# Altium PCB Backend_v1.PcbDoc (part 1 of 3)
Units mm, origin at the board's own origin, x right, y up, seen from the top; angles counter-clockwise.
Board outline 100 x 80 mm, 6 copper layers (Top Layer [SIG], Mid Layer 1 [GND], Mid Layer 2 [SIG], Mid Layer 3 [PWR], Mid Layer 4 [GND], Bottom Layer [SIG]), stack 1.597 mm thick; 235 components, 190 nets, 1031 pads, 639 vias.
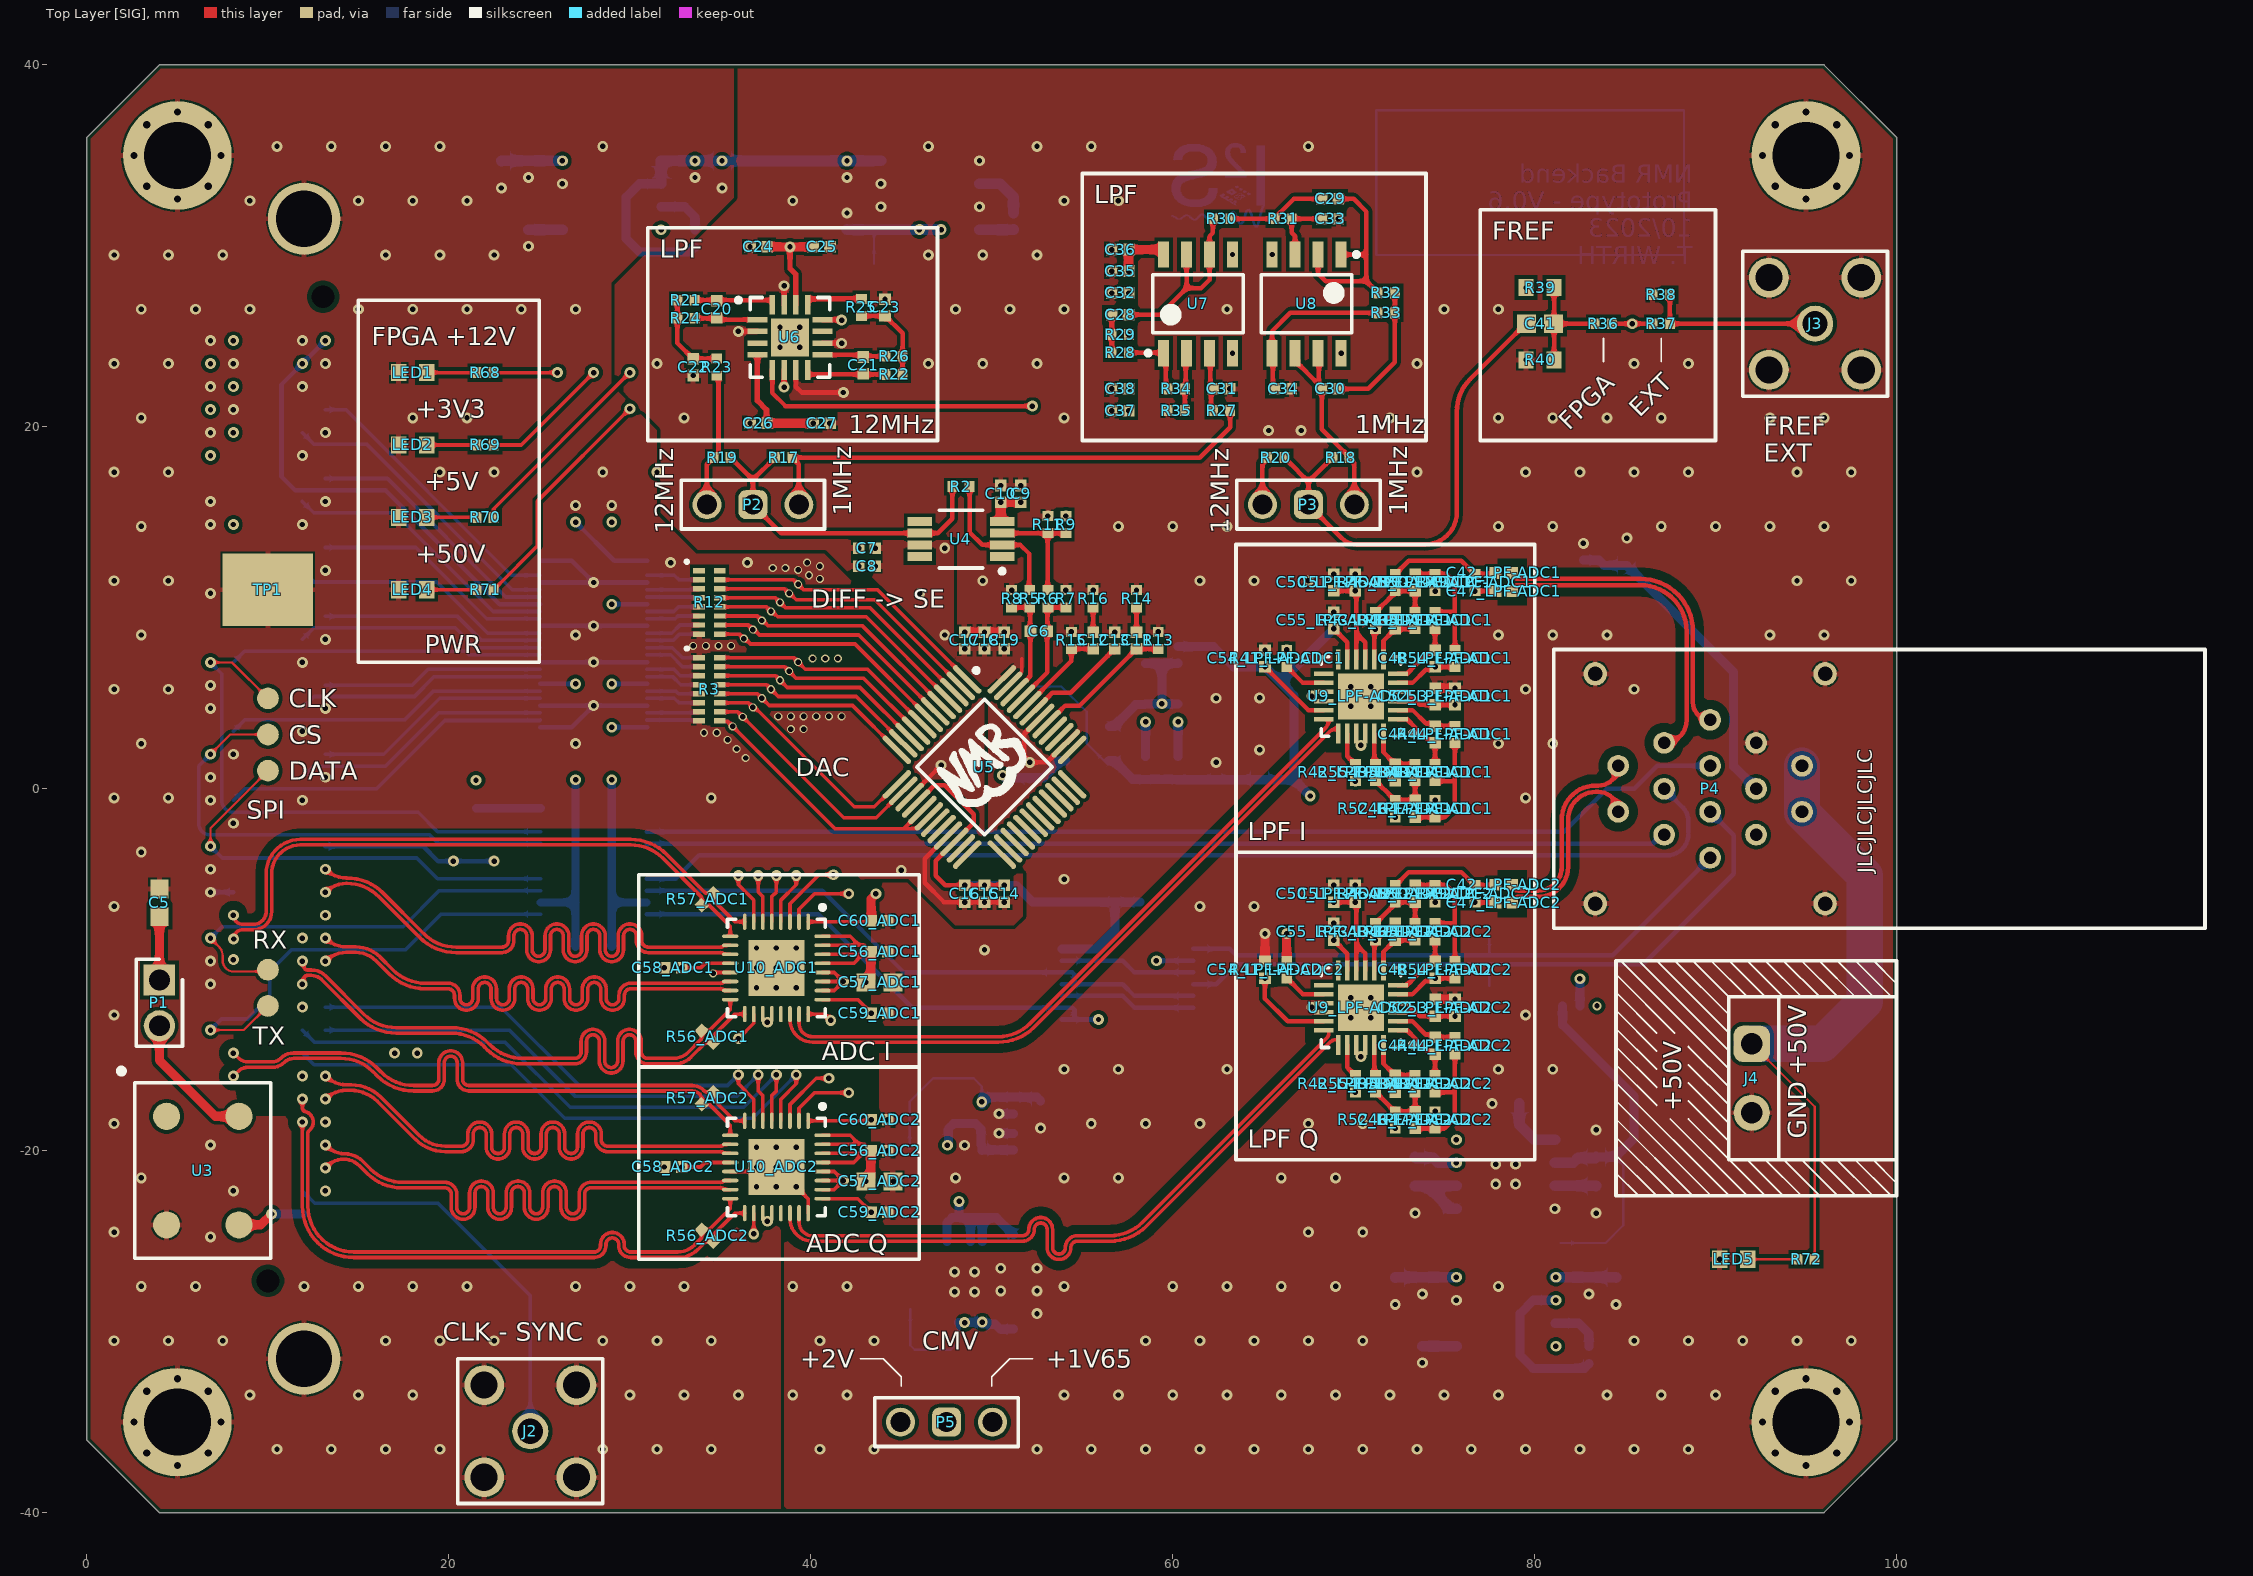
[diagram p0: Top Layer [SIG] view]
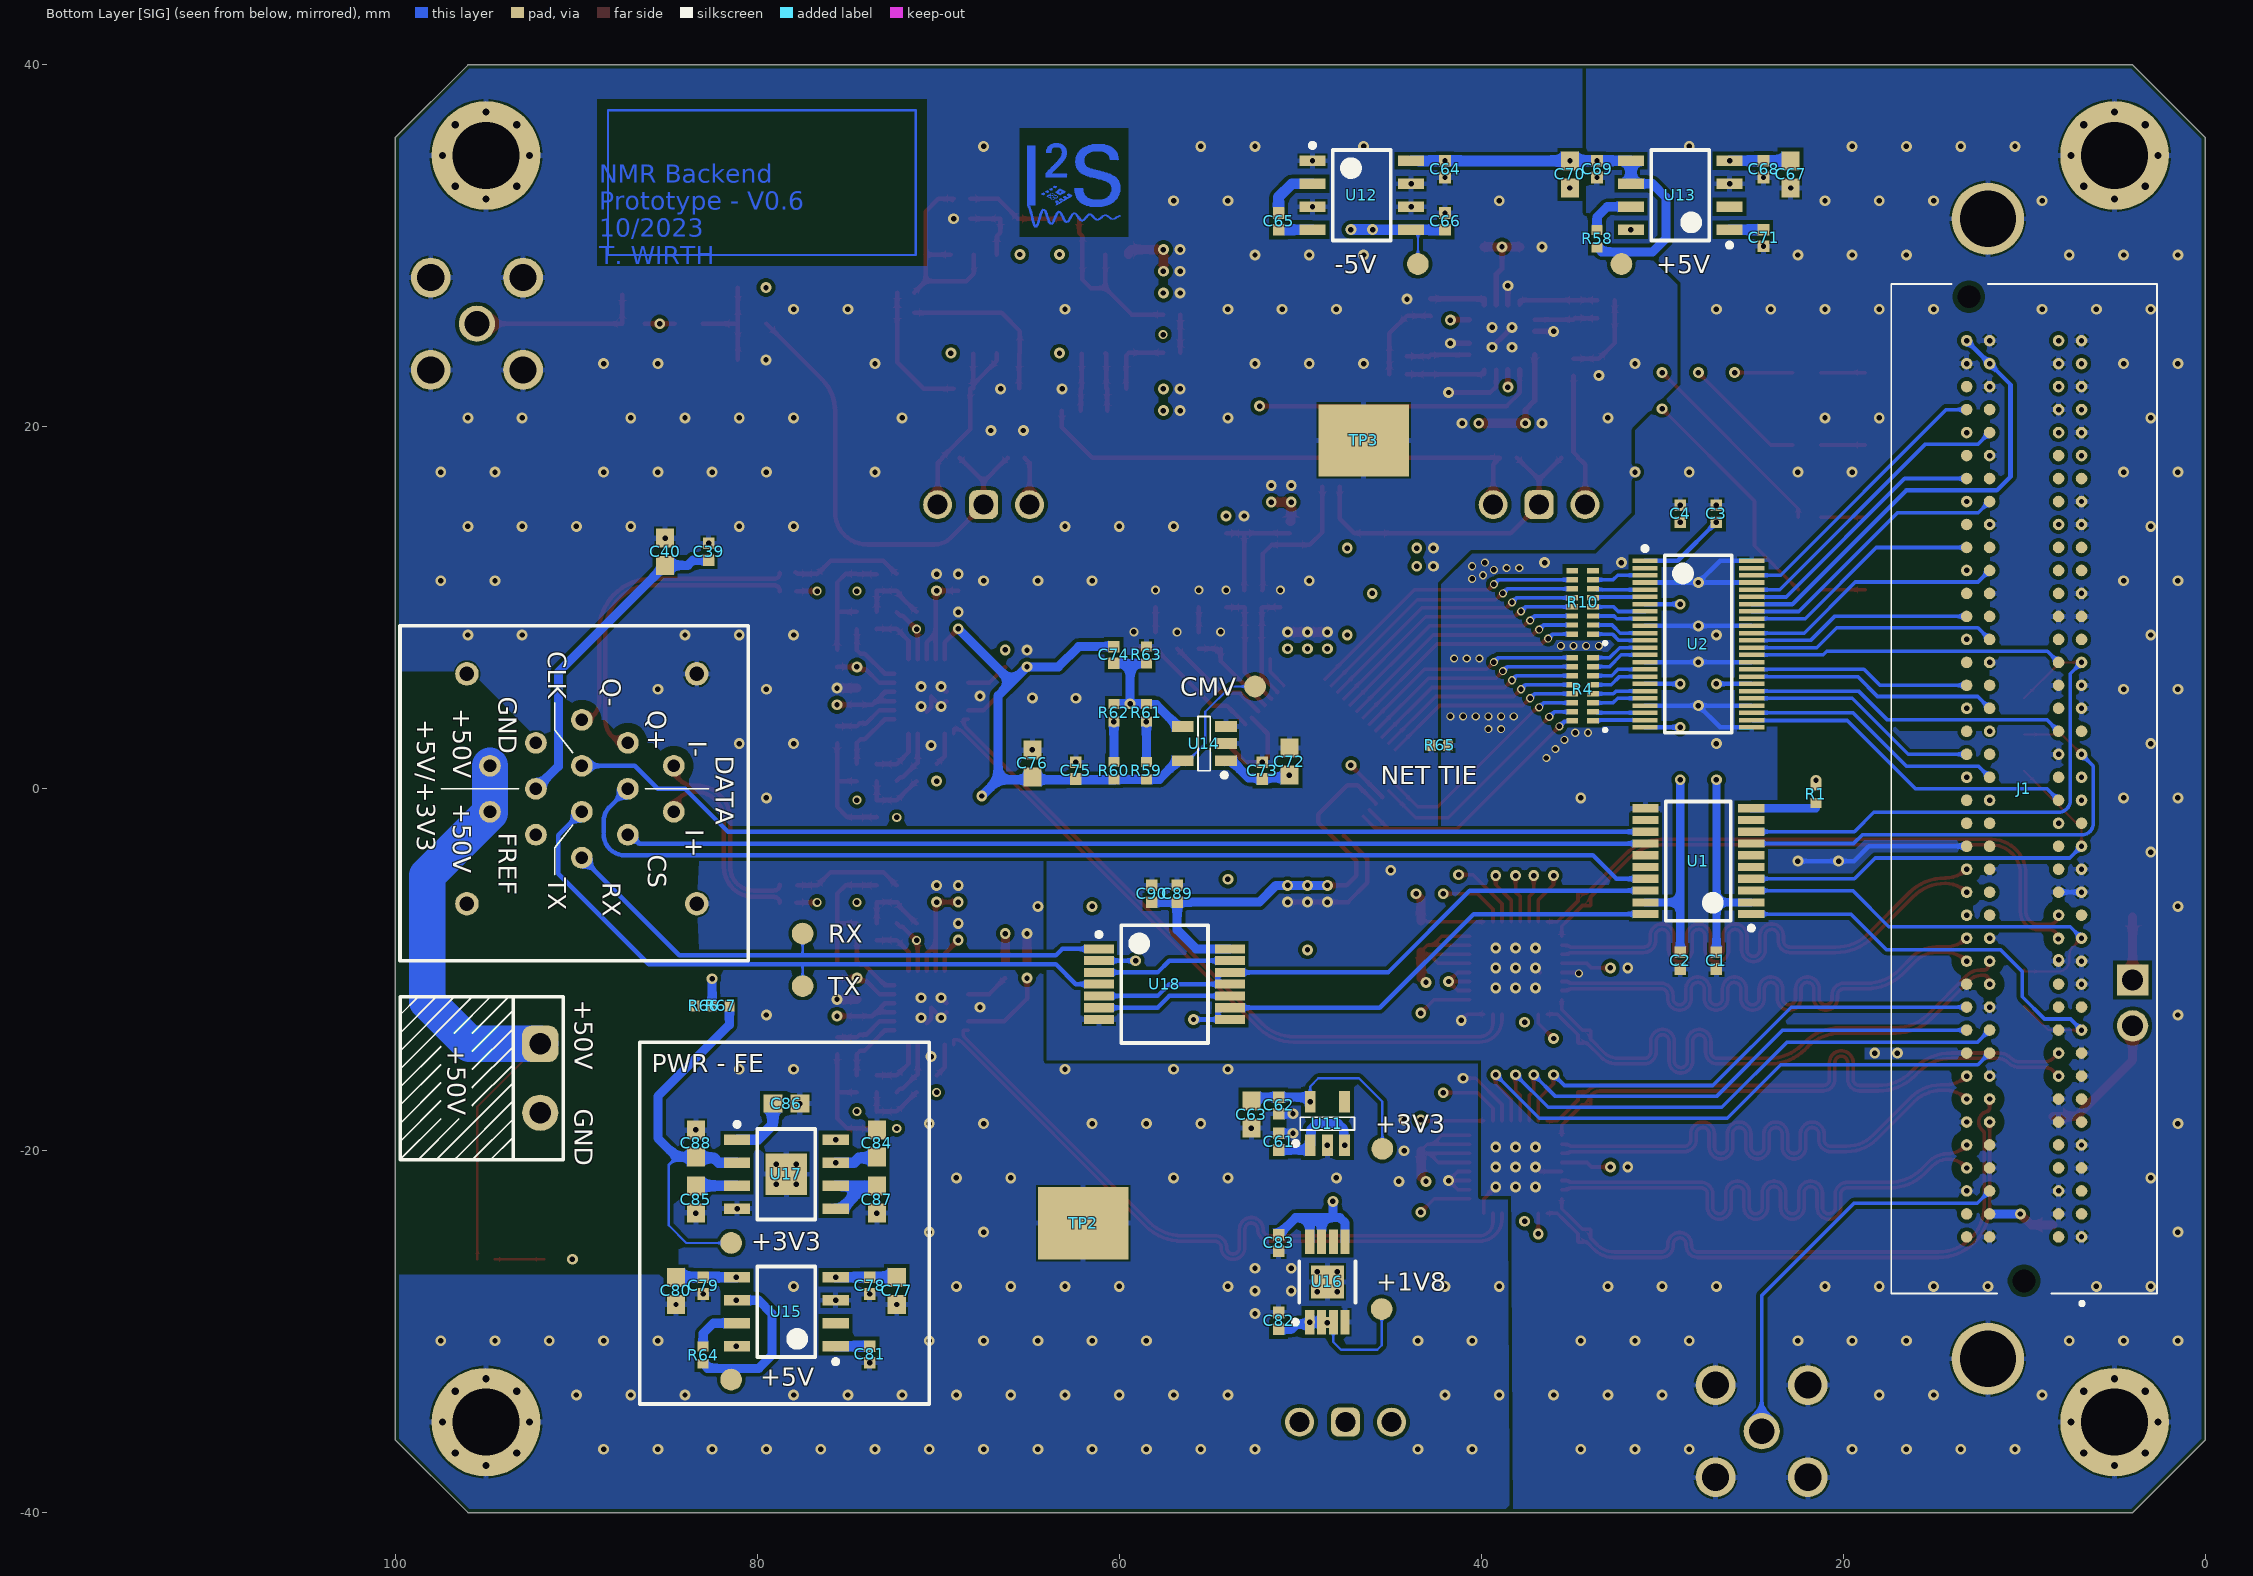
[diagram p1: Bottom Layer [SIG] view, seen from below]
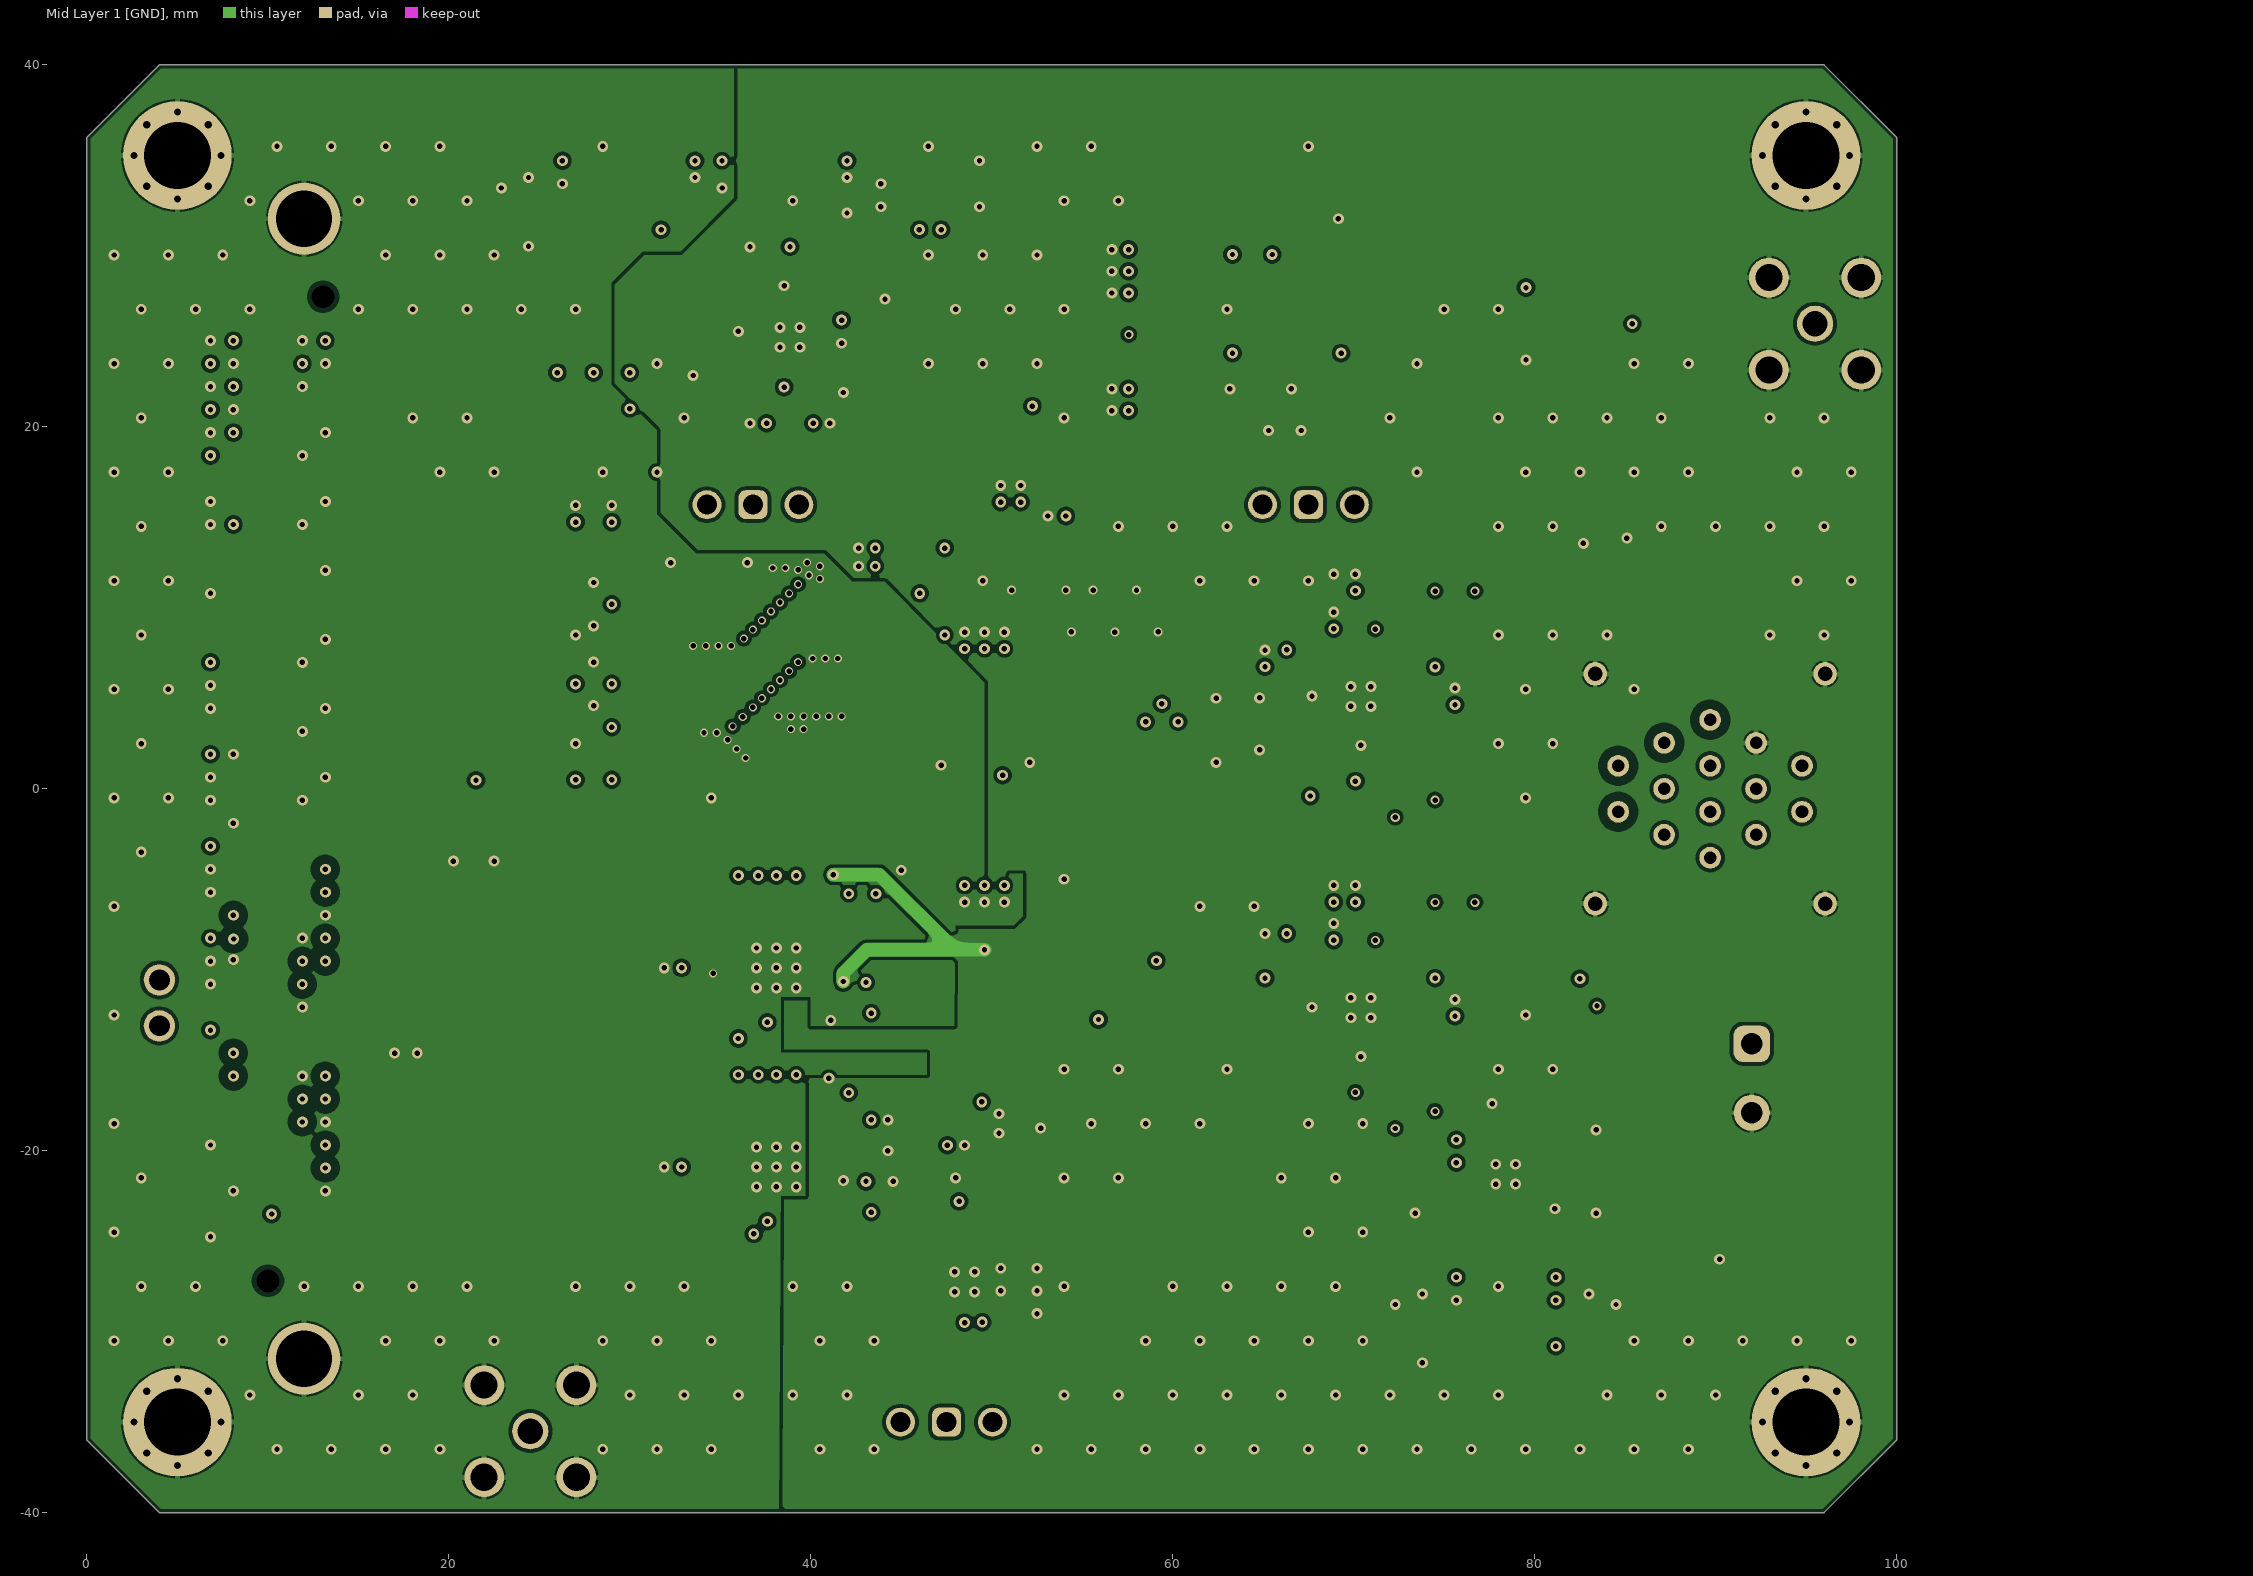
[diagram p2: Mid Layer 1 [GND]]
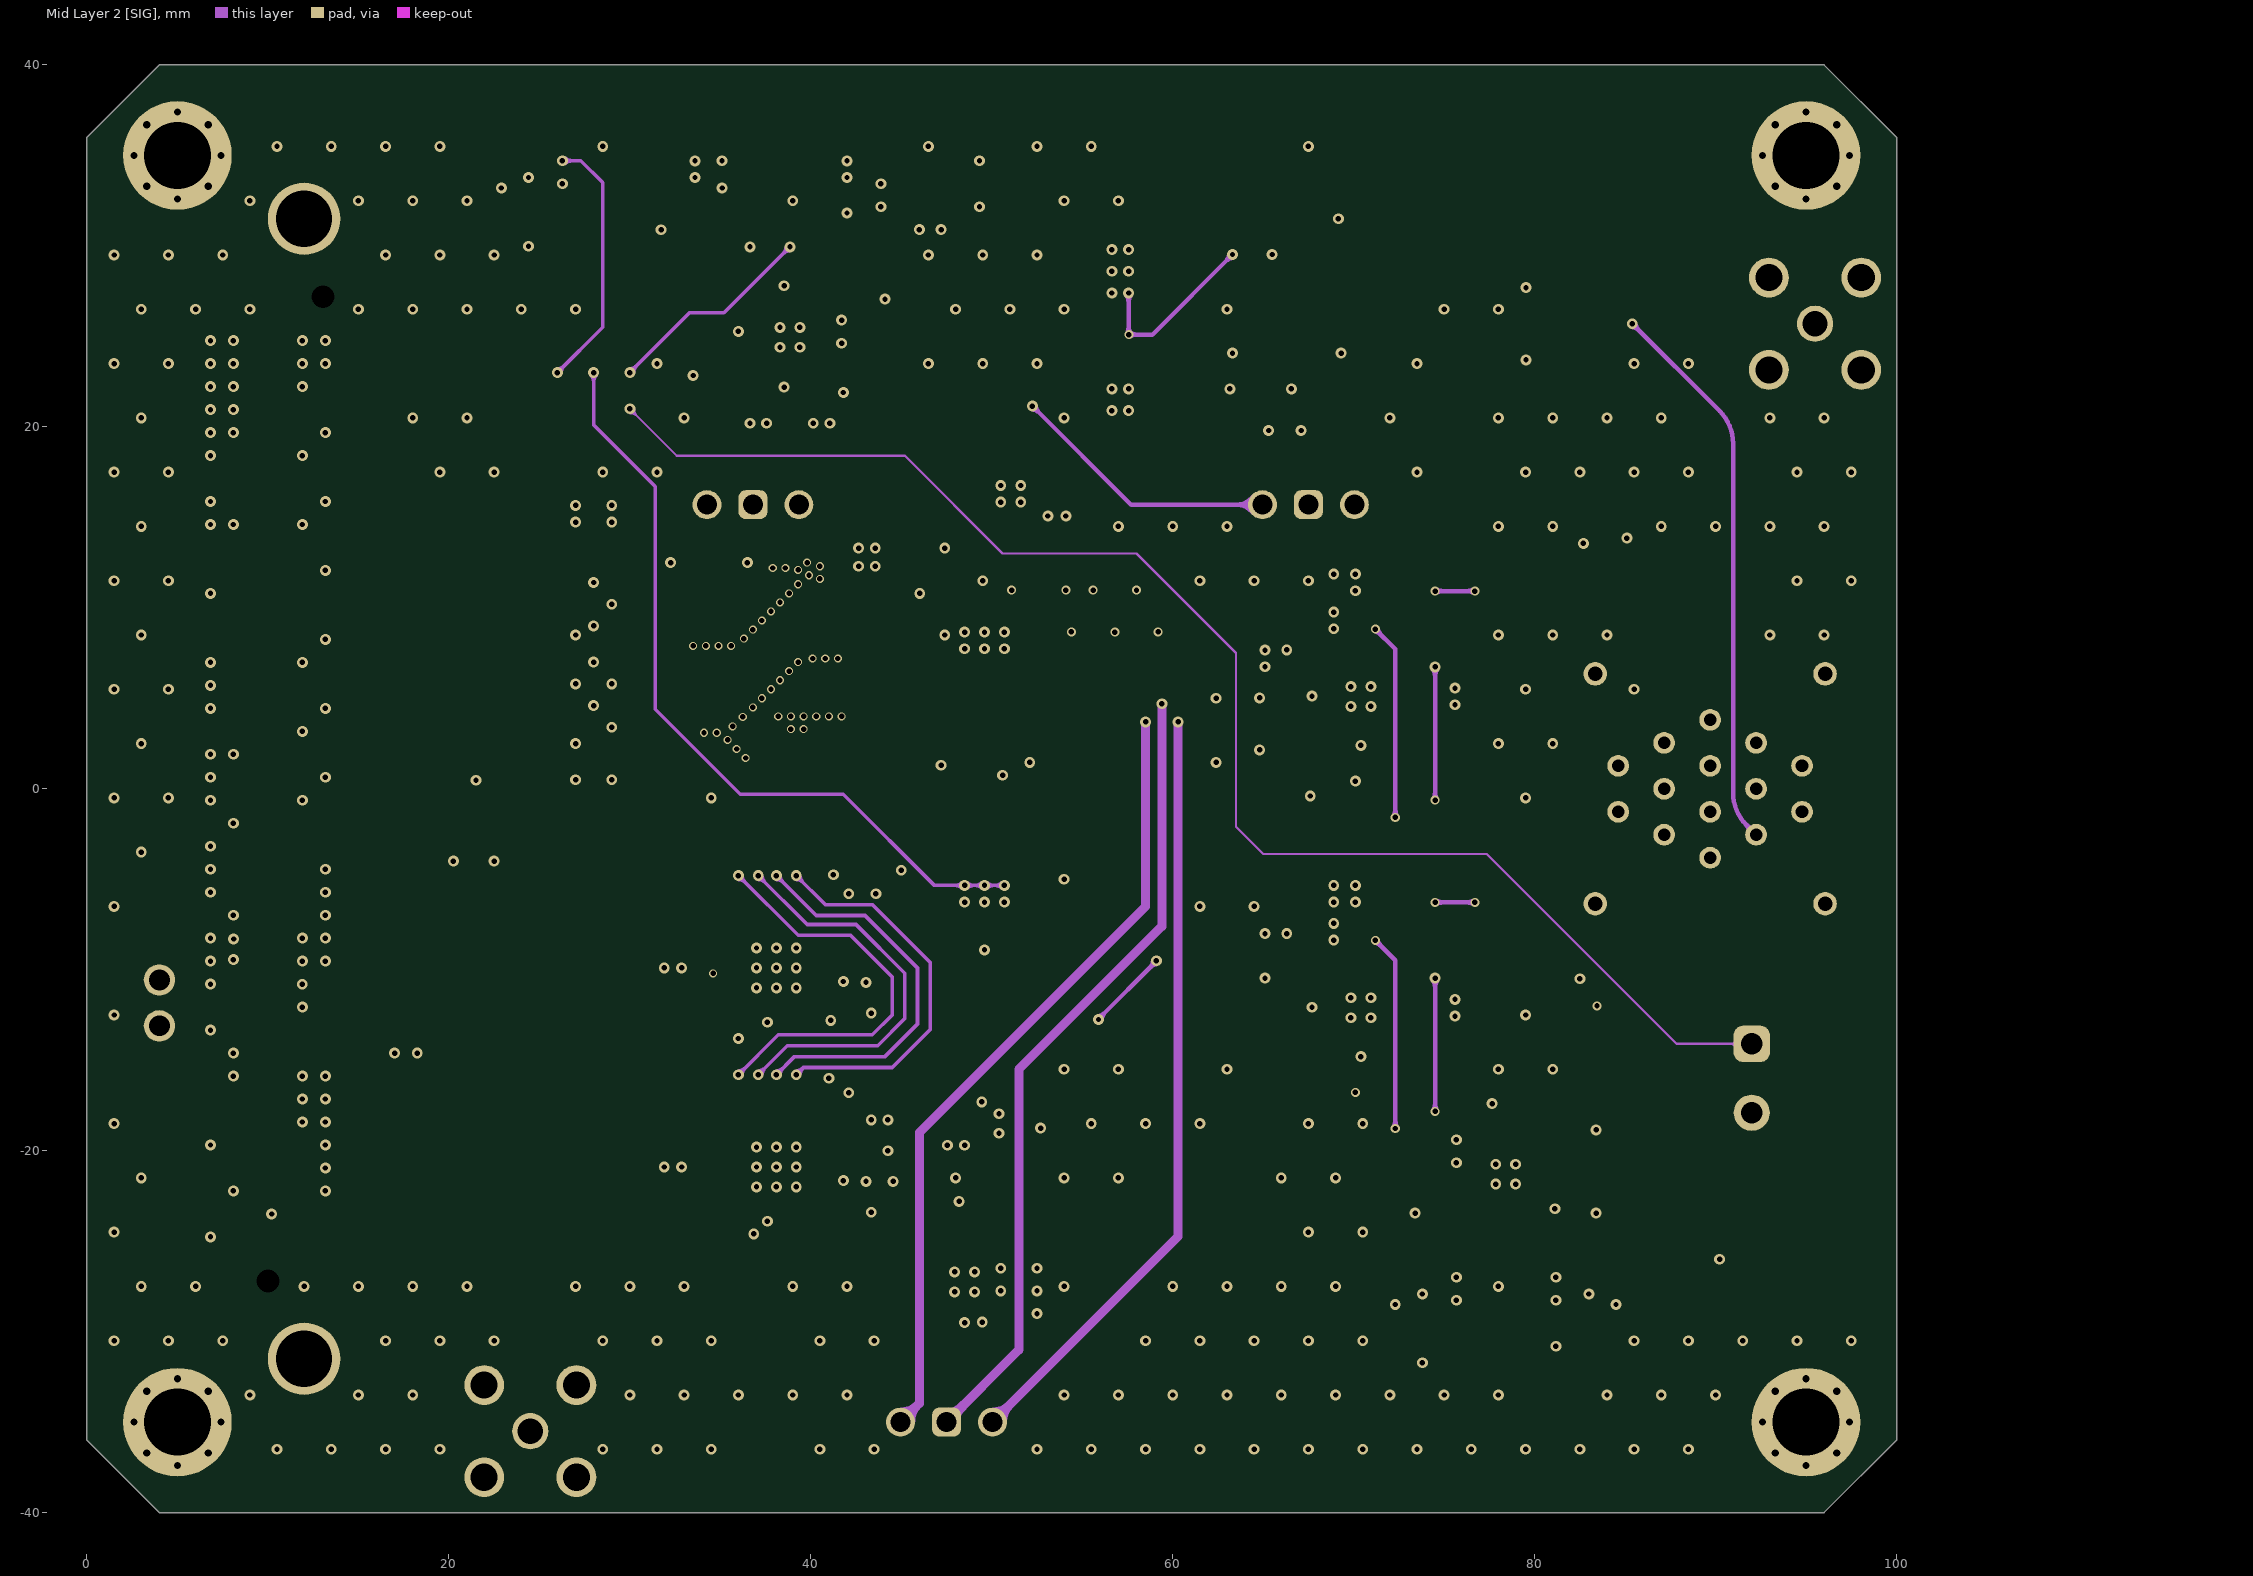
[diagram p3: Mid Layer 2 [SIG]]